# Altium PCB ZYNQ-7000_SOM_Bd.PcbDoc (part 5 of 6)
Units mm, origin at the board's own origin, x right, y up, seen from the top; angles counter-clockwise.
Board outline 69.6 x 45 mm, 8 copper layers (L1 (Sig), L2 (GND), L3 (PWR), L4 (Sig), L5 (GND), L6 (Sig), L7 (GND), L8 (Sig)), stack 1.188 mm thick; 246 components, 201 nets, 1392 pads, 883 vias.
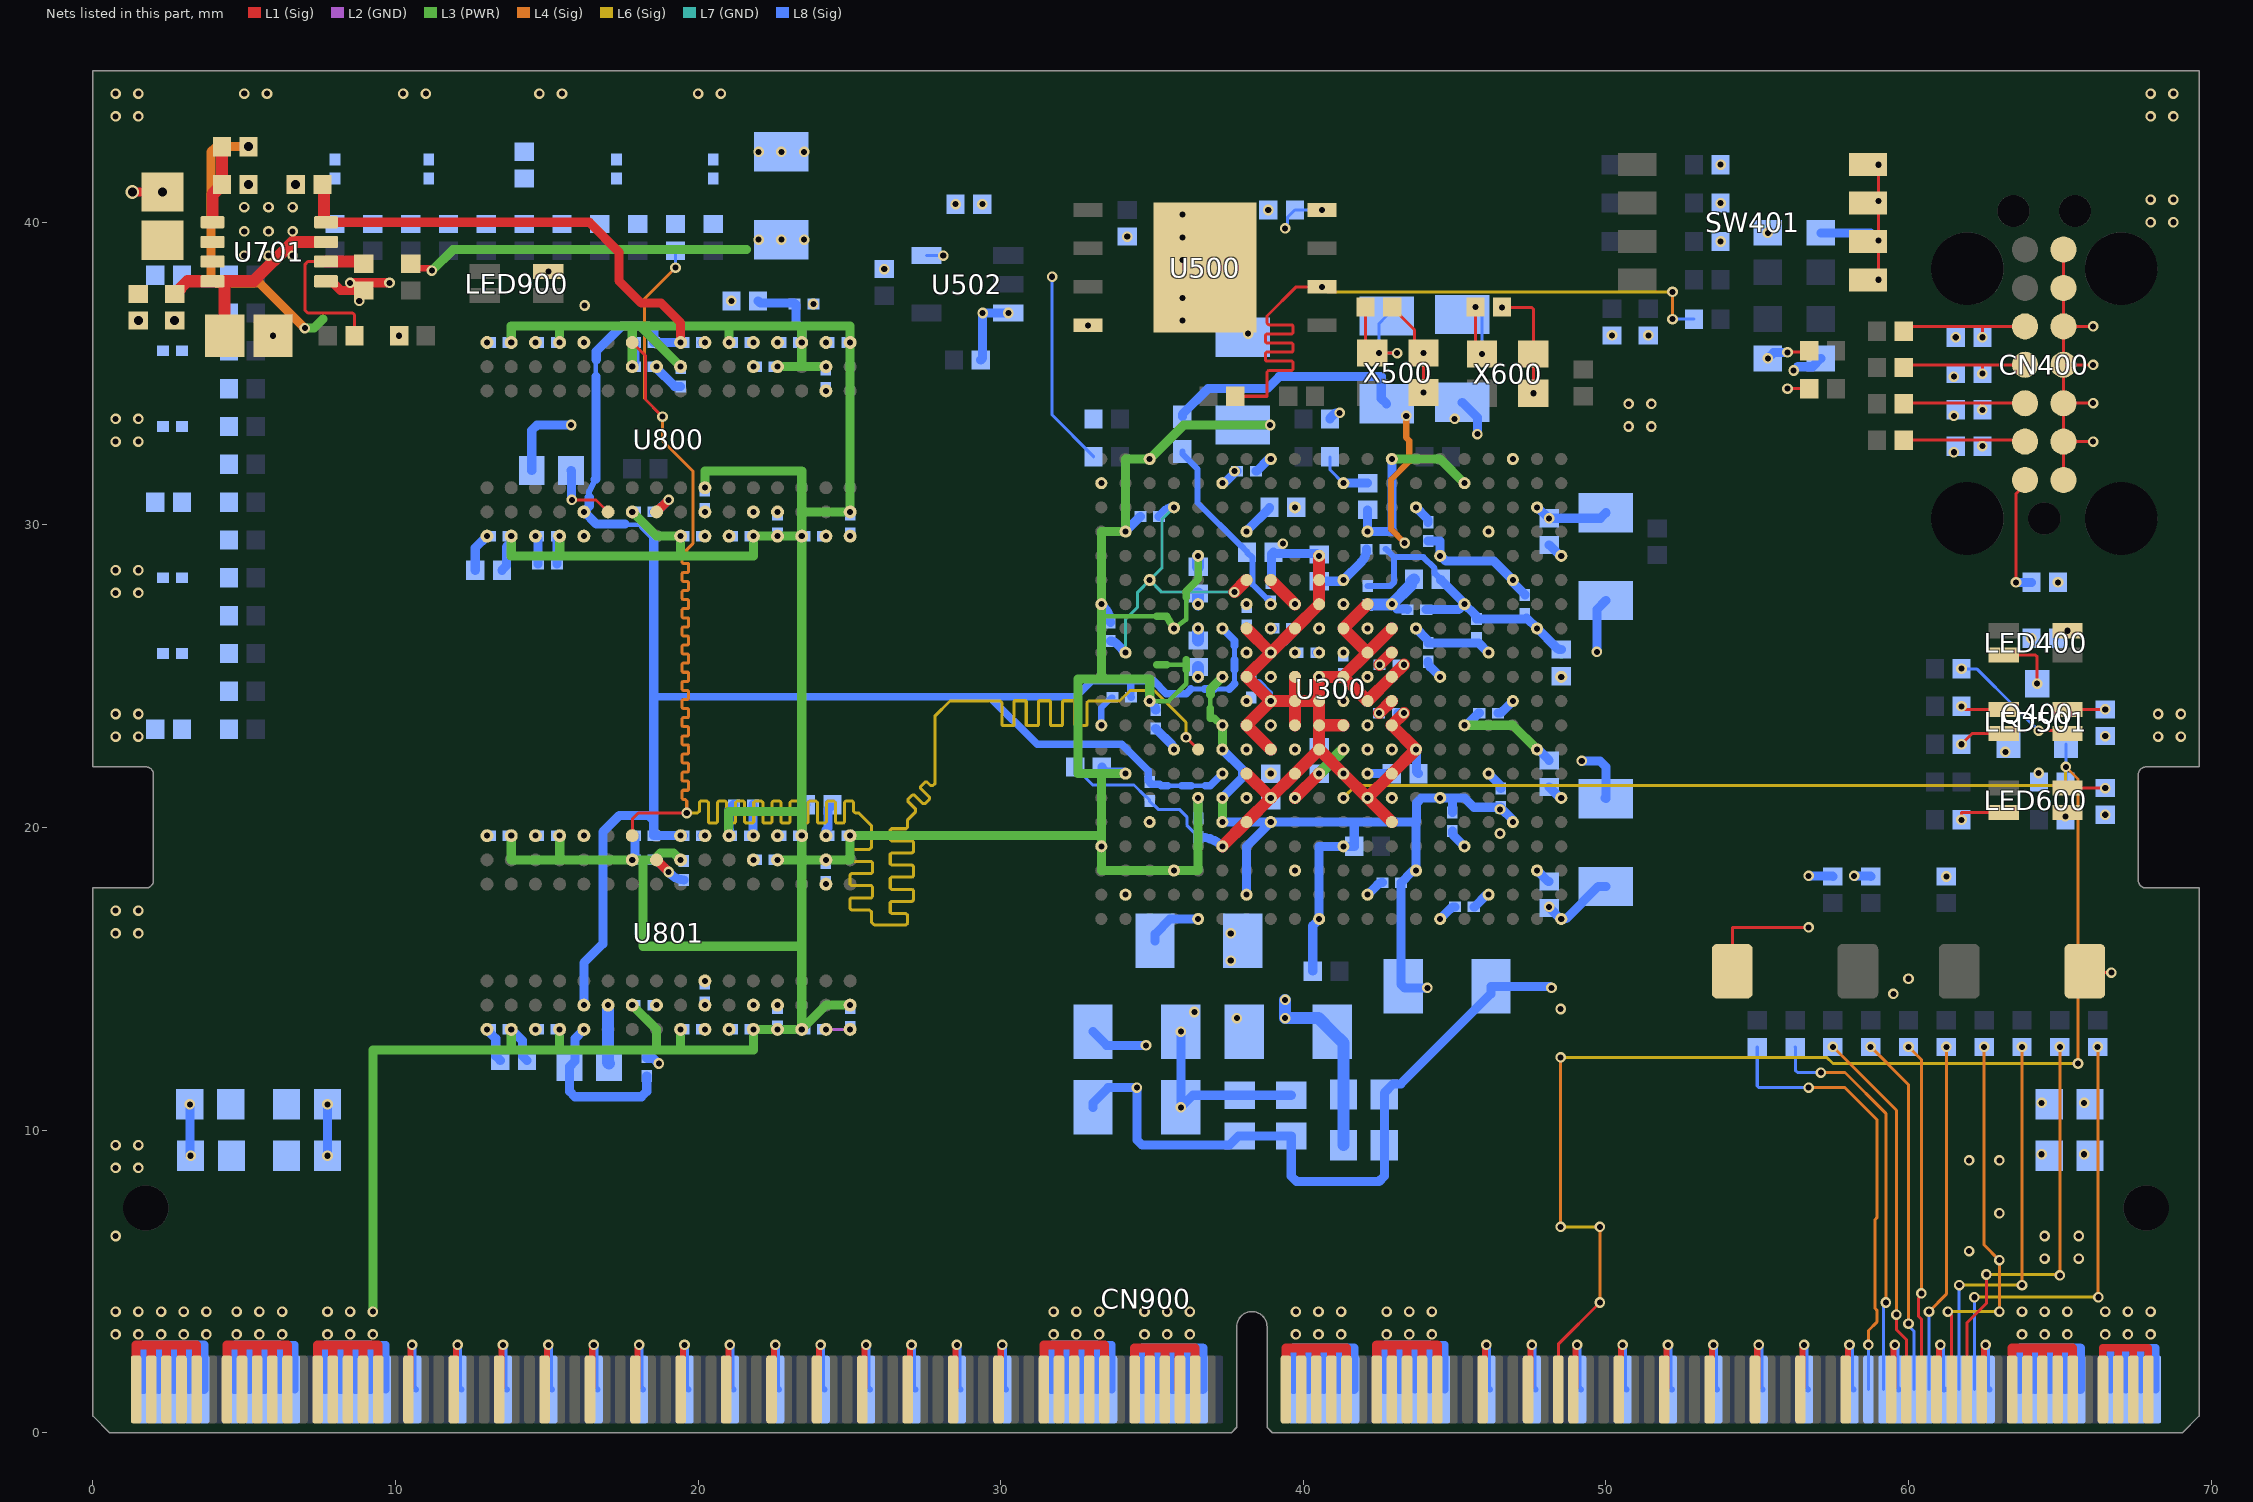
[diagram p11: the nets of this part, all layers, seen from the top]

## Via types
v1: diameter 0.35, hole 0.2, L1 (Sig) to L8 (Sig), tented both sides, 876 vias
v2: diameter 0.45, hole 0.3, L1 (Sig) to L8 (Sig), tented both sides, 7 vias

## Nets (pads, with @x,y where several pads share a name; then routed paths per layer and width w, separated by ;. In a path a pad name is that pad's centre, name@x,y a point inside that pad or via, vN(x,y) a via of type N, cw(c..) or ccw(c..) an arc to the next point about the centre after c; other vN are vias at no path point) (continued)
DDR_ODT: R724.1 U300.N5 U800.K1 U801.K1 | length 87
  L1 (Sig) w0.1: U801.K1@17.823,19.727 17.823,20.277 18.023,20.477 v1(19.623,20.477) ; U800.K1@17.823,36.027 18.258,35.592 18.258,34.142 v1(18.823,33.577) ; v1(36.123,22.977) U300.N5@36.523,22.577
  L4 (Sig) w0.1: v1(19.25,38.5) 18.227,37.477 18.227,34.173 v1(18.823,33.577) 18.823,32.777 19.823,31.777 19.823,29.377 19.623,29.177 19.623,29.088 19.564,29.029 19.493,29.029 19.463,28.999 19.463,28.759 19.493,28.729 19.656,28.729 19.686,28.699 19.686,28.459 19.656,28.429 19.493,28.429 19.463,28.399 19.463,28.159 19.493,28.129 19.656,28.129 19.686,28.099 19.686,27.859 19.656,27.829 19.493,27.829 19.463,27.799 19.463,27.559 19.493,27.529 19.656,27.529 19.686,27.499 19.686,27.259 19.656,27.229 19.493,27.229 19.463,27.199 19.463,26.959 19.493,26.929 19.656,26.929 19.686,26.899 19.686,26.659 19.656,26.629 19.493,26.629 19.463,26.599 19.463,26.359 19.493,26.329 19.656,26.329 19.686,26.299 19.686,26.059 19.656,26.029 19.493,26.029 19.463,25.999 19.463,25.759 19.493,25.729 19.656,25.729 19.686,25.699 19.686,25.459 19.656,25.429 19.493,25.429 19.463,25.399 19.463,25.159 19.493,25.129 19.656,25.129 19.686,25.099 19.686,24.859 19.656,24.829 19.493,24.829 19.463,24.799 19.463,24.559 19.493,24.529 19.656,24.529 19.686,24.499 19.686,24.259 19.656,24.229 19.493,24.229 19.463,24.199 19.463,23.959 19.493,23.929 19.656,23.929 19.686,23.899 19.686,23.659 19.656,23.629 19.493,23.629 19.463,23.599 19.463,23.359 19.493,23.329 19.656,23.329 19.686,23.299 19.686,23.059 19.656,23.029 19.493,23.029 19.463,22.999 19.463,22.759 19.493,22.729 19.656,22.729 19.686,22.699 19.686,22.459 19.656,22.429 19.493,22.429 19.463,22.399 19.463,22.159 19.493,22.129 19.656,22.129 19.686,22.099 19.686,21.859 19.656,21.829 19.493,21.829 19.463,21.799 19.463,21.559 19.493,21.529 19.656,21.529 19.686,21.499 19.686,21.259 19.656,21.229 19.493,21.229 19.463,21.199 19.463,20.959 19.493,20.929 19.564,20.929 19.623,20.871 19.623,20.821 v1(19.623,20.477)
  L6 (Sig) w0.1: v1(19.623,20.477) 19.929,20.477 19.979,20.477 20.037,20.536 20.037,20.832 20.082,20.877 20.292,20.877 20.337,20.832 20.337,20.186 20.382,20.141 20.592,20.141 20.637,20.186 20.637,20.832 20.682,20.877 20.892,20.877 20.937,20.832 20.937,20.186 20.982,20.141 21.192,20.141 21.237,20.186 21.237,20.832 21.282,20.877 21.492,20.877 21.537,20.832 21.537,20.186 21.582,20.141 21.792,20.141 21.837,20.186 21.837,20.832 21.882,20.877 22.092,20.877 22.137,20.832 22.137,20.186 22.182,20.141 22.392,20.141 22.437,20.186 22.437,20.832 22.482,20.877 22.692,20.877 22.737,20.832 22.737,20.186 22.782,20.141 22.992,20.141 23.037,20.186 23.037,20.832 23.082,20.877 23.292,20.877 23.337,20.832 23.337,20.186 23.382,20.141 23.592,20.141 23.637,20.186 23.637,20.832 23.682,20.877 23.892,20.877 23.937,20.832 23.937,20.186 23.982,20.141 24.192,20.141 24.237,20.186 24.237,20.832 24.282,20.877 24.492,20.877 24.537,20.832 24.537,20.186 24.582,20.141 24.792,20.141 24.837,20.186 24.837,20.832 24.882,20.877 25.092,20.877 25.137,20.832 25.137,20.536 25.196,20.477 25.307,20.477 25.33,20.454 25.723,20.061 25.723,19.784 25.723,19.334 25.664,19.275 25.063,19.275 25.023,19.235 25.023,18.915 25.063,18.875 25.722,18.875 25.762,18.835 25.762,18.515 25.722,18.475 25.063,18.475 25.023,18.435 25.023,18.115 25.063,18.075 25.722,18.075 25.762,18.035 25.762,17.715 25.722,17.675 25.063,17.675 25.023,17.635 25.023,17.315 25.063,17.275 25.664,17.275 25.723,17.217 25.723,17.08 25.723,16.877 25.823,16.777 26.864,16.777 26.923,16.836 26.923,17.048 26.923,17.098 26.864,17.157 26.388,17.157 26.348,17.197 26.348,17.517 26.388,17.557 27.072,17.557 27.112,17.597 27.112,17.917 27.072,17.957 26.388,17.957 26.348,17.997 26.348,18.317 26.388,18.357 27.072,18.357 27.112,18.397 27.112,18.717 27.072,18.757 26.388,18.757 26.348,18.797 26.348,19.117 26.388,19.157 27.072,19.157 27.112,19.197 27.112,19.517 27.072,19.557 26.388,19.557 26.348,19.597 26.348,19.917 26.388,19.957 26.864,19.957 26.923,20.016 26.923,20.253 27.155,20.485 27.19,20.52 27.19,20.603 26.93,20.863 26.93,20.927 27.078,21.075 27.142,21.075 27.431,20.786 27.495,20.786 27.643,20.935 27.643,20.998 27.354,21.288 27.354,21.351 27.502,21.5 27.566,21.5 27.681,21.384 27.764,21.384 27.823,21.443 27.823,21.606 27.823,23.677 28.323,24.177 28.734,24.177 29.984,24.177 30.043,24.119 30.043,23.385 30.063,23.365 30.423,23.365 30.443,23.385 30.443,24.167 30.463,24.187 30.823,24.187 30.843,24.167 30.843,23.385 30.863,23.365 31.223,23.365 31.243,23.385 31.243,24.167 31.263,24.187 31.623,24.187 31.643,24.167 31.643,23.385 31.663,23.365 32.023,23.365 32.043,23.385 32.043,24.167 32.063,24.187 32.423,24.187 32.443,24.167 32.443,23.385 32.463,23.365 32.823,23.365 32.843,23.385 32.843,24.119 32.901,24.177 33.739,24.177 33.923,24.177 34.275,24.529 35.069,24.529 36.123,23.475 v1(36.123,22.977)
  L8 (Sig) w0.1: v1(19.25,38.5) R724.1@19.25,39.06
DDR_VRN: R727.1 U300.G5 | length 0.4
  L8 (Sig) w0.4: v1(36.523,27.377) R727.1@36.523,27.737
DDR_VRP: R729.2 U300.H5 | length 0.4
  L8 (Sig) w0.4: R729.2@36.523,26.177 v1(36.523,26.577)
DDR_VTT_EN: R725.1 R730.2 U701.2 | length 5.9
  L1 (Sig) w0.1: U701.2@7.7,38.7 7.1,38.7 7,38.6 7,37.1 7.1,37 8.581,37 8.64,36.941 R725.1@8.64,36.25
  L1 (Sig) w0.4: U701.2@7.7,38.7 8.88,38.7 R730.2@8.95,38.63
DDR_VTT_VDDQ: C717.2 R728.2 U701.5 | length 2.6
  L1 (Sig) w0.4: U701.5@3.95,40 3.95,40.92 4.26,41.23 C717.2@4.26,41.25 R728.2@4.26,42.5
DDR_ZQ1: R800.2 U800.L8 | length 2.3
  L1 (Sig) w0.1: v1(15.825,30.825) 16.625,30.825 U800.L8@17.023,30.427
  L8 (Sig) w0.3: R800.2@15.8,31.8 15.815,31.785 15.815,30.835 v1(15.825,30.825)
DDR_ZQ2: R801.2 U801.L8 | length 1.9
  L8 (Sig) w0.4: v1(17.023,14.127) 17.023,12.227 R801.2@17.05,12.2
DGND: C300.1 C301.1 C302.1 C303.1 C304.1 C305.1 C306.1 C307.1 C308.1 C309.1 C310.1 C311.1 C312.1 C313.1 C314.1 C315.1 C316.1 C317.1 C318.1 C319.1 C320.1 C321.1 C322.1 C323.1 C324.1 C325.1 C326.1 C327.1 C328.1 C329.1 C330.1 C331.1 C332.1 C333.1 C334.1 C335.1 C336.1 C337.1 C338.1 C339.1 C340.1 C341.1 C342.1 C343.1 C344.1 C345.1 C346.1 C347.1 C348.1 C400.1 C401.1 C500.2 C501.2 C502.2 C503.2 C504.2 C505.1 C600.2 C601.1 C700.1 C701.1 C702.1 C703.1 C704.1 C705.1 C706.1 C707.1 C708.1 C709.1 C710.1 C711.1 C712.1 C713.1 C714.1 C715.1 C716.1 C717.1 C718.1 C719.2 C801.1 C802.1 C803.1 C804.1 C805.1 C806.1 C807.1 C808.1 C809.1 C810.1 C811.1 C812.1 C813.1 C814.1 C815.1 C816.1 C817.1 C818.1 C819.1 C820.1 C821.1 C822.1 C823.1 C825.1 C826.1 C827.1 C828.1 C829.1 C830.1 C831.1 C832.1 C833.1 C834.1 C835.1 C836.1 C837.1 C838.1 C839.1 C840.1 C841.1 C842.1 C843.1 C844.1 C845.1 C846.1 C847.1 C901.1 C903.1 C905.1 C907.1 C908.1 C909.1 C910.1 C911.1 C913.1 C914.1 CN400.1 CN400.3 CN400.5 CN400.7 CN400.9 CN400.11 CN400.13 CN900.13 CN900.14 CN900.15 CN900.16 CN900.17 CN900.18 CN900.19 CN900.20 CN900.21 CN900.22 CN900.37 CN900.38 CN900.43 CN900.44 CN900.49 CN900.50 CN900.55 CN900.56 CN900.61 CN900.62 CN900.67 CN900.68 CN900.73 CN900.74 CN900.79 CN900.80 CN900.85 CN900.86 CN900.91 CN900.92 CN900.97 CN900.98 CN900.103 CN900.104 CN900.109 CN900.110 CN900.115 CN900.116 CN900.121 CN900.122 CN900.123 CN900.124 CN900.125 CN900.126 CN900.127 CN900.128 CN900.129 CN900.130 CN900.157 CN900.158 CN900.159 CN900.160 CN900.161 CN900.162 CN900.163 CN900.164 CN900.165 CN900.166 CN900.171 CN900.172 CN900.177 CN900.178 CN900.183 CN900.184 CN900.189 CN900.190 CN900.195 CN900.196 CN900.201 CN900.202 CN900.207 CN900.208 CN900.213 CN900.214 CN900.219 CN900.220 CN900.225 CN900.226 CN900.231 CN900.232 CN900.237 CN900.238 CN900.253 CN900.254 CN900.255 CN900.256 CN900.257 CN900.258 CN900.259 CN900.260 ESD400.1 ESD401.1 ESD402.1 ESD403.1 LED900.2 Q400.2 R417.1 R418.1 R419.1 R420.1 R421.1 R422.1 R513.2 R515.2 R726.1 R729.1 R730.1 R800.1 R801.1 SW400.2 SW500.2 U300.A8 U300.A18 U300.B1 U300.B11 U300.C4 U300.C9 U300.C14 U300.D17 U300.E10 U300.E20 U300.F3 U300.F7 U300.F10 U300.G10 U300.G12 U300.G16 U300.H7 U300.H9 U300.H11 U300.H13 U300.H19 U300.J2 U300.J8 U300.J10 U300.J12 U300.K5 U300.K7 U300.K9 U300.K10 U300.K11 U300.K13 U300.K15 U300.L8 U300.L9 U300.L10 U300.L12 U300.L18 U300.M1 U300.M7 U300.M9 U300.M10 U300.M11 U300.M13 U300.N4 U300.N8 U300.N10 U300.N12 U300.N14 U300.P7 U300.P9 U300.P11 U300.P13 U300.P17 U300.R8 U300.R12 U300.R20 U300.T3 U300.T7 U300.T13 U300.U6 U300.U16 U300.V9 U300.V19 U300.W2 U300.W12 U300.Y5 U300.Y15 U500.4 U500.9 U502.3 U701.1 U800.A9 U800.B1 U800.B3 U800.B9 U800.D1 U800.D8 U800.E1 U800.E2 U800.E8 U800.F9 U800.G1 U800.G8 U800.G9 U800.J2 U800.J8 U800.M1 U800.M9 U800.P1 U800.P9 U800.T1 U800.T9 U801.A9 U801.B1 U801.B3 U801.B9 U801.D1 U801.D8 U801.E1 U801.E2 U801.E8 U801.F9 U801.G1 U801.G8 U801.G9 U801.J2 U801.J8 U801.M1 U801.M9 U801.P1 U801.P9 U801.T1 U801.T9 X500.2 X600.2 | length 316.3
  L1 (Sig) w0.1: X500.2@42.058,35.892 C501.2@42.058,37.2 ; v1(42.5,35.677) 42.502,35.675 v1(43.1,35.675) ; v1(45.685,37.2) 45.685,35.865 v1(45.9,35.65) ; SW500.2@54.175,15.25 54.175,16.7 v1(56.7,16.7) ; CN400.1@65.12,31.48 CN400.3@65.12,32.75 ; CN400.13@65.12,39.1 CN400.11@65.12,37.83 CN400.9@65.12,36.56 ; SW400.2@65.825,15.2 v1(66.7,15.2) ; v1(66.1,32.75) CN400.3@65.12,32.75 ; v1(66.1,34.02) CN400.5@65.12,34.02 ; v1(66.1,35.29) CN400.7@65.12,35.29 ; v1(66.1,36.56) CN400.9@65.12,36.56 ; CN400.3@65.12,32.75 CN400.5@65.12,34.02 ; CN400.5@65.12,34.02 CN400.7@65.12,35.29 ; CN400.7@65.12,35.29 CN400.9@65.12,36.56
  L1 (Sig) w0.2: CN900.37@10.425,1.425 10.5,1.5 10.5,2.809 10.55,2.859 v1(10.55,2.9) ; CN900.43@11.925,1.425 12,1.5 12,2.809 12.05,2.859 v1(12.05,2.9) ; CN900.49@13.425,1.425 13.5,1.5 13.5,2.809 13.55,2.859 v1(13.55,2.9) ; CN900.55@14.925,1.425 15,1.5 15,2.809 15.05,2.859 v1(15.05,2.9) ; CN900.61@16.425,1.425 16.5,1.5 16.5,2.809 16.55,2.859 v1(16.55,2.9) ; CN900.67@17.925,1.425 18,1.5 18,2.809 18.05,2.859 v1(18.05,2.9) ; CN900.73@19.425,1.425 19.5,1.5 19.5,2.809 19.55,2.859 v1(19.55,2.9) ; CN900.79@20.925,1.425 21,1.5 21,2.809 21.05,2.859 v1(21.05,2.9) ; CN900.85@22.425,1.425 22.5,1.5 22.5,2.809 22.55,2.859 v1(22.55,2.9) ; CN900.91@23.925,1.425 24,1.5 24,2.809 24.05,2.859 v1(24.05,2.9) ; CN900.97@25.425,1.425 25.5,1.5 25.5,2.809 25.55,2.859 v1(25.55,2.9) ; CN900.103@26.925,1.425 27,1.5 27,2.809 27.05,2.859 v1(27.05,2.9) ; CN900.109@28.425,1.425 28.5,1.5 28.5,2.809 28.55,2.859 v1(28.55,2.9) ; CN900.115@29.925,1.425 30,1.5 30,2.809 30.05,2.859 v1(30.05,2.9) ; CN900.171@45.925,1.425 46,1.5 46,2.809 46.05,2.859 v1(46.05,2.9) ; CN900.177@47.425,1.425 47.5,1.5 47.5,2.809 47.55,2.859 v1(47.55,2.9) ; CN900.183@48.925,1.425 49,1.5 49,2.809 49.05,2.859 v1(49.05,2.9) ; CN900.189@50.425,1.425 50.5,1.5 50.5,2.809 50.55,2.859 v1(50.55,2.9) ; CN900.195@51.925,1.425 52,1.5 52,2.809 52.05,2.859 v1(52.05,2.9) ; CN900.201@53.425,1.425 53.5,1.5 53.5,2.809 53.55,2.859 v1(53.55,2.9) ; CN900.207@54.925,1.425 55,1.5 55,2.809 55.05,2.859 v1(55.05,2.9) ; CN900.213@56.425,1.425 56.5,1.5 56.5,2.809 56.55,2.859 v1(56.55,2.9) ; CN900.219@57.925,1.425 58,1.5 58,2.809 58.05,2.859 v1(58.05,2.9) ; CN900.225@59.425,1.425 59.5,1.5 59.5,2.809 59.55,2.859 v1(59.55,2.9) ; CN900.231@60.925,1.425 61,1.5 61,2.809 61.05,2.859 v1(61.05,2.9) ; CN900.237@62.425,1.425 62.5,1.5 62.5,2.809 62.55,2.859 v1(62.55,2.9)
  L1 (Sig) w0.25: CN900.253@66.425,1.425 66.425,2.8 66.925,2.8 ; CN900.255@66.925,1.425 66.925,2.8 ; CN900.257@67.425,1.425 67.425,2.8 ; CN900.259@67.925,1.425 67.925,2.8 67.425,2.8 ; 66.925,2.8 67.425,2.8
  L1 (Sig) w0.3: v2(1.3,41) v2(2.3,41) ; CN900.13@4.425,1.425 4.425,2.9 4.925,2.9 ; CN900.15@4.925,1.425 4.925,2.9 ; CN900.17@5.425,1.425 5.425,2.9 ; CN900.19@5.925,1.425 5.925,2.9 ; CN900.21@6.425,1.425 6.425,2.9 5.925,2.9 ; U701.1@7.7,38.05 7.9,38.05 7.95,38 7.95,37.98 8.18,37.75 R730.1@8.95,37.75 ; v1(8.5,38) v1(9.8,38) ; U801.J2@18.623,18.927 v1(19.023,18.527) ; U800.J8@18.623,30.427 v1(19.023,30.827) ; CN900.121@31.425,1.425 31.425,2.9 31.913,2.9 ; CN900.123@31.925,1.425 31.925,2.887 31.913,2.9 ; CN900.125@32.425,1.425 32.425,2.875 32.4,2.9 ; CN900.127@32.925,1.425 32.925,2.875 32.9,2.9 ; CN900.129@33.425,1.425 33.425,2.9 32.9,2.9 ; X500.2@42.058,35.892 X500.2@42.273,35.677 ; CN900.157@42.425,1.425 42.425,2.9 42.925,2.9 ; CN900.159@42.925,1.425 42.925,2.9 ; CN900.161@43.425,1.425 43.425,2.9 ; CN900.163@43.925,1.425 43.925,2.9 ; CN900.165@44.425,1.425 44.425,2.9 43.925,2.9 ; 4.925,2.9 5.425,2.9 ; 5.425,2.9 5.925,2.9 ; 31.913,2.9 32.4,2.9 ; 32.4,2.9 32.9,2.9 ; 42.925,2.9 43.425,2.9 ; 43.425,2.9 43.925,2.9
  L1 (Sig) w0.4: v1(37.323,19.377) U300.T7@38.123,20.177 v1(38.923,20.977) ; v1@37.723,27.777 U300.F7@38.123,28.177 ; U300.P7@38.123,21.777 v1(38.923,20.977) ; U300.H7@38.123,26.577 v1(38.923,25.777) ; U300.N8@38.923,22.577 U300.M7@38.123,23.377 v1(38.923,24.177) ; U300.M9@39.723,23.377 U300.L9@39.723,24.177 ; U300.K9@39.723,24.977 U300.L9@39.723,24.177 ; v1(40.523,28.977) U300.F10@40.523,28.177 U300.G10@40.523,27.377 U300.H9@39.723,26.577 v1(38.923,25.777) ; U300.M11@41.323,23.377 U300.M10@40.523,23.377 ; U300.G12@42.123,27.377 U300.H11@41.323,26.577 U300.J12@42.123,25.777 ; U300.T13@42.923,20.177 v1(42.123,20.977) ; U300.H13@42.923,26.577 U300.J12@42.123,25.777 ; v1(43.323,23.777) U300.M13@42.923,23.377 v1(43.723,22.577) U300.P13@42.923,21.777 v1(42.123,20.977) ; v1(43.323,25.377) U300.K13@42.923,24.977 U300.L12@42.123,24.177 U300.K11@41.323,24.977 ; SW400.2@65.825,15.2 SW400.2@65.825,15.25 ; v1(38.923,20.977) U300.P9@39.723,21.777 U300.N10@40.523,22.577 ; v1(38.923,24.177) U300.L9@39.723,24.177 ; v1(38.923,24.177) U300.K7@38.123,24.977 v1(38.923,25.777) ; U300.L9@39.723,24.177 U300.L10@40.523,24.177 ; U300.N10@40.523,22.577 U300.M10@40.523,23.377 ; U300.N10@40.523,22.577 v1(41.323,21.777) v1(42.123,20.977) ; U300.M10@40.523,23.377 U300.L10@40.523,24.177 ; U300.L10@40.523,24.177 v1(40.523,24.977) U300.K11@41.323,24.977 ; U300.K11@41.323,24.977 U300.J12@42.123,25.777
  L2 (GND) w0.1: v1(24.223,13.327) v1(25.023,13.327)
  L7 (GND) w0.1: v1(34.123,25.777) 34.123,26.882 34.523,27.282 34.523,27.777 v1(34.923,28.177) ; v1(35.723,30.577) 35.323,30.177 35.323,28.577 v1(34.923,28.177) ; v1(37.723,27.777) 35.323,27.777 v1(34.923,28.177)
  L8 (Sig) w0.1: C323.1@32.46,22 32.46,21.98 33.04,21.4 34.403,21.4 34.773,21.03 34.798,21.03 34.923,20.905 C716.1@34.923,20.88 34.923,20.855 35.048,20.73 35.073,20.73 35.203,20.6 35.9,20.6 36.149,20.351 36.149,20.076 36.548,19.677 C322.1@36.599,19.677 ; R513.2@40.88,32.25 40.88,31.82 v1(41.323,31.377) ; C318.1@42.75,36.9 42.5,36.65 v1(42.5,35.677) 42.501,35.676 43.099,35.676 v1(43.1,35.675) ; v1(45.685,37.2) 45.9,36.985 v1(45.9,35.65)
  L8 (Sig) w0.2: v1(10.55,2.9) 10.55,2.859 10.6,2.809 10.6,1.5 CN900.38@10.675,1.425 ; v1(12.05,2.9) 12.05,2.859 12.1,2.809 12.1,1.5 CN900.44@12.175,1.425 ; v1(13.55,2.9) 13.55,2.859 13.6,2.809 13.6,1.5 CN900.50@13.675,1.425 ; v1(15.05,2.9) 15.05,2.859 15.1,2.809 15.1,1.5 CN900.56@15.175,1.425 ; v1(16.55,2.9) 16.55,2.859 16.6,2.809 16.6,1.5 CN900.62@16.675,1.425 ; v1(18.05,2.9) 18.05,2.859 18.1,2.809 18.1,1.5 CN900.68@18.175,1.425 ; v1(19.55,2.9) 19.55,2.859 19.6,2.809 19.6,1.5 CN900.74@19.675,1.425 ; v1(21.05,2.9) 21.05,2.859 21.1,2.809 21.1,1.5 CN900.80@21.175,1.425 ; v1(22.55,2.9) 22.55,2.859 22.6,2.809 22.6,1.5 CN900.86@22.675,1.425 ; v1(24.05,2.9) 24.05,2.859 24.1,2.809 24.1,1.5 CN900.92@24.175,1.425 ; v1(25.55,2.9) 25.55,2.859 25.6,2.809 25.6,1.5 CN900.98@25.675,1.425 ; v1(27.05,2.9) 27.05,2.859 27.1,2.809 27.1,1.5 CN900.104@27.175,1.425 ; v1(28.55,2.9) 28.55,2.859 28.6,2.809 28.6,1.5 CN900.110@28.675,1.425 ; v1(30.05,2.9) 30.05,2.859 30.1,2.809 30.1,1.5 CN900.116@30.175,1.425 ; v1(33.323,23.377) 33.3,23.4 33.321,23.421 33.321,23.956 33.665,24.3 C715.1@33.69,24.3 ; C307.1@38.123,26.667 38.123,26.642 38.894,25.871 38.894,25.806 v1(38.923,25.777) 38.963,25.777 39.275,26.089 39.389,26.089 39.533,26.233 39.533,26.502 39.608,26.577 C316.1@39.633,26.577 ; C313.1@38.275,24.91 38.275,24.885 38.35,24.81 38.521,24.81 38.894,24.437 38.894,24.206 v1(38.923,24.177) ; C306.1@42.123,27.977 42.877,27.977 43,28.1 43,28.935 ; C302.1@42.71,29.2 42.735,29.2 43,28.935 ; C329.1@44.54,28.2 44.34,28.4 44.34,28.56 43.965,28.935 43,28.935 ; v1(46.05,2.9) 46.05,2.859 46.1,2.809 46.1,1.5 CN900.172@46.175,1.425 ; v1(47.55,2.9) 47.55,2.859 47.6,2.809 47.6,1.5 CN900.178@47.675,1.425 ; v1(49.05,2.9) 49.05,2.859 49.1,2.809 49.1,1.5 CN900.184@49.175,1.425 ; v1(50.55,2.9) 50.55,2.859 50.6,2.809 50.6,1.5 CN900.190@50.675,1.425 ; v1(52.05,2.9) 52.05,2.859 52.1,2.809 52.1,1.5 CN900.196@52.175,1.425 ; v1(53.55,2.9) 53.55,2.859 53.6,2.809 53.6,1.5 CN900.202@53.675,1.425 ; v1(55.05,2.9) 55.05,2.859 55.1,2.809 55.1,1.5 CN900.208@55.175,1.425 ; v1(56.55,2.9) 56.55,2.859 56.6,2.809 56.6,1.5 CN900.214@56.675,1.425 ; v1(58.05,2.9) 58.05,2.859 58.1,2.809 58.1,1.5 CN900.220@58.175,1.425 ; v1(59.55,2.9) 59.55,2.859 59.6,2.809 59.6,1.5 CN900.226@59.675,1.425 ; v1(61.05,2.9) 61.05,2.859 61.1,2.809 61.1,1.5 CN900.232@61.175,1.425 ; v1(62.55,2.9) 62.55,2.859 62.6,2.809 62.6,1.5 CN900.238@62.675,1.425
  L8 (Sig) w0.25: 6.175,2.9 6.675,2.9 CN900.22@6.675,1.425 ; 33.175,2.9 33.675,2.9 CN900.130@33.675,1.425 ; CN900.162@43.675,1.425 43.675,2.9 ; CN900.164@44.175,1.425 44.175,2.9 44.675,2.9 CN900.166@44.675,1.425 ; CN900.254@66.675,1.425 66.675,2.8 67.175,2.8 ; CN900.256@67.175,1.425 67.175,2.8 ; CN900.258@67.675,1.425 67.675,2.8 ; CN900.260@68.175,1.425 68.175,2.8 67.675,2.8 ; 67.175,2.8 67.675,2.8
  L8 (Sig) w0.3: CN900.14@4.675,1.425 4.675,2.875 4.7,2.9 5.175,2.9 ; CN900.16@5.175,1.425 5.175,2.9 ; CN900.18@5.675,1.425 5.675,2.9 ; CN900.20@6.175,1.425 6.175,2.9 5.675,2.9 ; C802.1@12.633,28.5 12.633,29.237 v1(13.023,29.627) ; v1(13.023,13.327) 13.023,13.309 13.31,13.021 13.31,12.45 C826.1@13.46,12.3 ; R800.1@14.5,31.8 14.5,33.124 14.676,33.3 v1(15.8,33.3) ; v1(14.623,29.627) 14.713,29.537 C803.1@14.713,28.7 ; v1(16.223,13.327) 16.223,13.314 15.934,13.025 15.934,12.284 R801.1@15.75,12.1 15.75,11.276 15.926,11.1 18.124,11.1 18.3,11.276 C827.1@18.3,11.79 ; C831.1@18.533,18.927 cw(c18.533,18.71) 18.686,18.864 v1(19.023,18.527) 19.113,18.437 ccw(c19.523,18.847) C846.1@19.523,18.267 ; C808.1@18.533,30.427 ccw(c18.533,30.644) 18.686,30.491 v1(19.023,30.827) ; v1(18.623,35.227) 18.623,35.177 19.223,34.577 19.413,34.577 C822.1@19.423,34.567 ; C825.1@20.133,19.727 v1(20.223,19.727) ; C801.1@20.133,36.027 v1(20.223,36.027) ; C838.1@21.81,20.75 21.81,19.74 v1(21.823,19.727) ; v1(24.223,19.727) 24.223,19.913 24.29,19.98 24.29,20.6 C837.1@24.44,20.75 ; C504.2@29.34,35.45 29.4,35.51 v1(29.4,37) v1(30.25,37) ; CN900.122@31.675,1.425 31.7,1.45 31.7,2.9 32.2,2.9 ; CN900.124@32.175,1.425 32.175,2.875 32.2,2.9 ; CN900.126@32.675,1.425 32.675,2.887 32.688,2.9 ; C311.1@33.05,10.75 33.05,10.9 33.55,11.4 v1(34.5,11.4) 34.5,9.676 34.676,9.5 37.55,9.5 37.85,9.8 C913.1@39.6,9.8 39.6,8.476 39.776,8.3 42.499,8.3 42.675,8.476 C910.1@42.675,9.5 42.675,11.225 42.975,11.525 43.225,11.525 46.2,14.5 C334.1@46.2,14.75 48.136,14.75 48.186,14.7 v1(48.2,14.7) ; C304.1@33.05,13.25 33.5,12.8 v1(34.8,12.8) ; CN900.128@33.175,1.425 33.175,2.9 32.688,2.9 ; C319.1@33.623,26.157 cw(c33.623,25.867) 33.828,26.072 v1(34.123,25.777) ; C330.1@35.1,16.25 35.1,16.477 35.6,16.977 v1(36.523,16.977) ; C320.1@35.123,23.267 35.659,22.731 cw(c35.506,22.577) v1(35.723,22.577) ; C321.1@35.233,30.277 35.398,30.443 cw(c35.723,30.118) v1(35.723,30.577) ; C322.1@36.599,19.677 cw(c36.599,18.653) v1(37.323,19.377) ; C327.1@38.433,31.777 38.458,31.777 38.848,32.168 38.913,32.168 v1(38.923,32.177) ; C300.1@38.923,28.087 38.948,28.112 38.948,29.033 C301.1@39.015,29.1 39.056,29.059 40.441,29.059 v1(40.523,28.977) ; C303.1@40.433,25.777 v1(40.523,25.777) ; v1(40.523,24.977) 41.233,24.977 C308.1@41.323,25.067 ; v1(41.323,31.377) C332.1@42.123,31.377 ; v1(42.123,17.777) C339.1@42.459,18.114 ; C339.1@42.459,18.114 cw(c42.613,17.96) C339.1@42.613,18.177 ; CN900.158@42.675,1.425 42.675,2.875 42.7,2.9 43.175,2.9 ; C315.1@43.123,23.777 v1(43.323,23.777) ; CN900.160@43.175,1.425 43.175,2.9 ; v1(43.723,22.577) 43.732,22.568 43.732,21.848 C312.1@43.803,21.777 ; v1(43.723,30.577) 44.059,30.241 cw(c43.906,30.087) C333.1@44.123,30.087 ; C328.1@44.06,27.2 45.132,27.2 45.309,27.377 v1(45.323,27.377) ; C342.1@44.123,25.477 ccw(c44.364,25.477) 44.194,25.306 v1(44.523,24.977) ; 44.175,2.9 43.675,2.9 43.175,2.9 ; v1(44.523,16.977) 44.859,17.314 cw(c45.013,17.16) C338.1@45.013,17.377 ; C329.1@44.54,28.2 44.54,28.18 45.313,27.407 45.313,27.387 v1(45.323,27.377) ; C341.1@44.923,19.877 ccw(c45.164,19.877) 44.994,19.706 v1(45.323,19.377) ; v1(46.123,21.777) 46.459,21.441 cw(c46.306,21.287) C340.1@46.523,21.287 ; C343.1@46.433,23.777 ccw(c46.433,23.994) 46.586,23.841 v1(46.923,24.177) ; v1(47.723,18.577) 48.055,18.245 ccw(c48.123,18.314) C337.1@48.123,18.217 ; C336.1@48.123,21.337 48.455,21.005 ccw(c48.523,21.074) v1(48.523,20.977) ; C347.1@48.123,29.337 48.455,29.005 ccw(c48.523,29.074) v1(48.523,28.977) ; C346.1@48.523,25.877 cw(c48.523,26.119) 48.352,25.948 v1(47.723,26.577) 47.379,26.921 47.346,26.887 C344.1@45.723,26.887 ccw(c45.506,26.887) 45.659,27.041 v1(45.323,27.377) ; v1(49.2,22.2) 49.21,22.19 49.81,22.19 50,22 C325.1@50,20.95 C325.1@49.973,20.977 ; v1(49.7,25.8) 49.7,27.2 C348.1@50,27.5 ; v1(56.2,35.1) 56.214,35.1 56.339,35.225 56.825,35.225 R418.1@57.1,35.5 ; v1(58.2,18.4) 58.21,18.39 58.74,18.39 C503.2@58.75,18.38 ; 5.175,2.9 5.675,2.9 ; 32.2,2.9 32.688,2.9